# KiCad board panel_joined.kicad_pcb (continued)
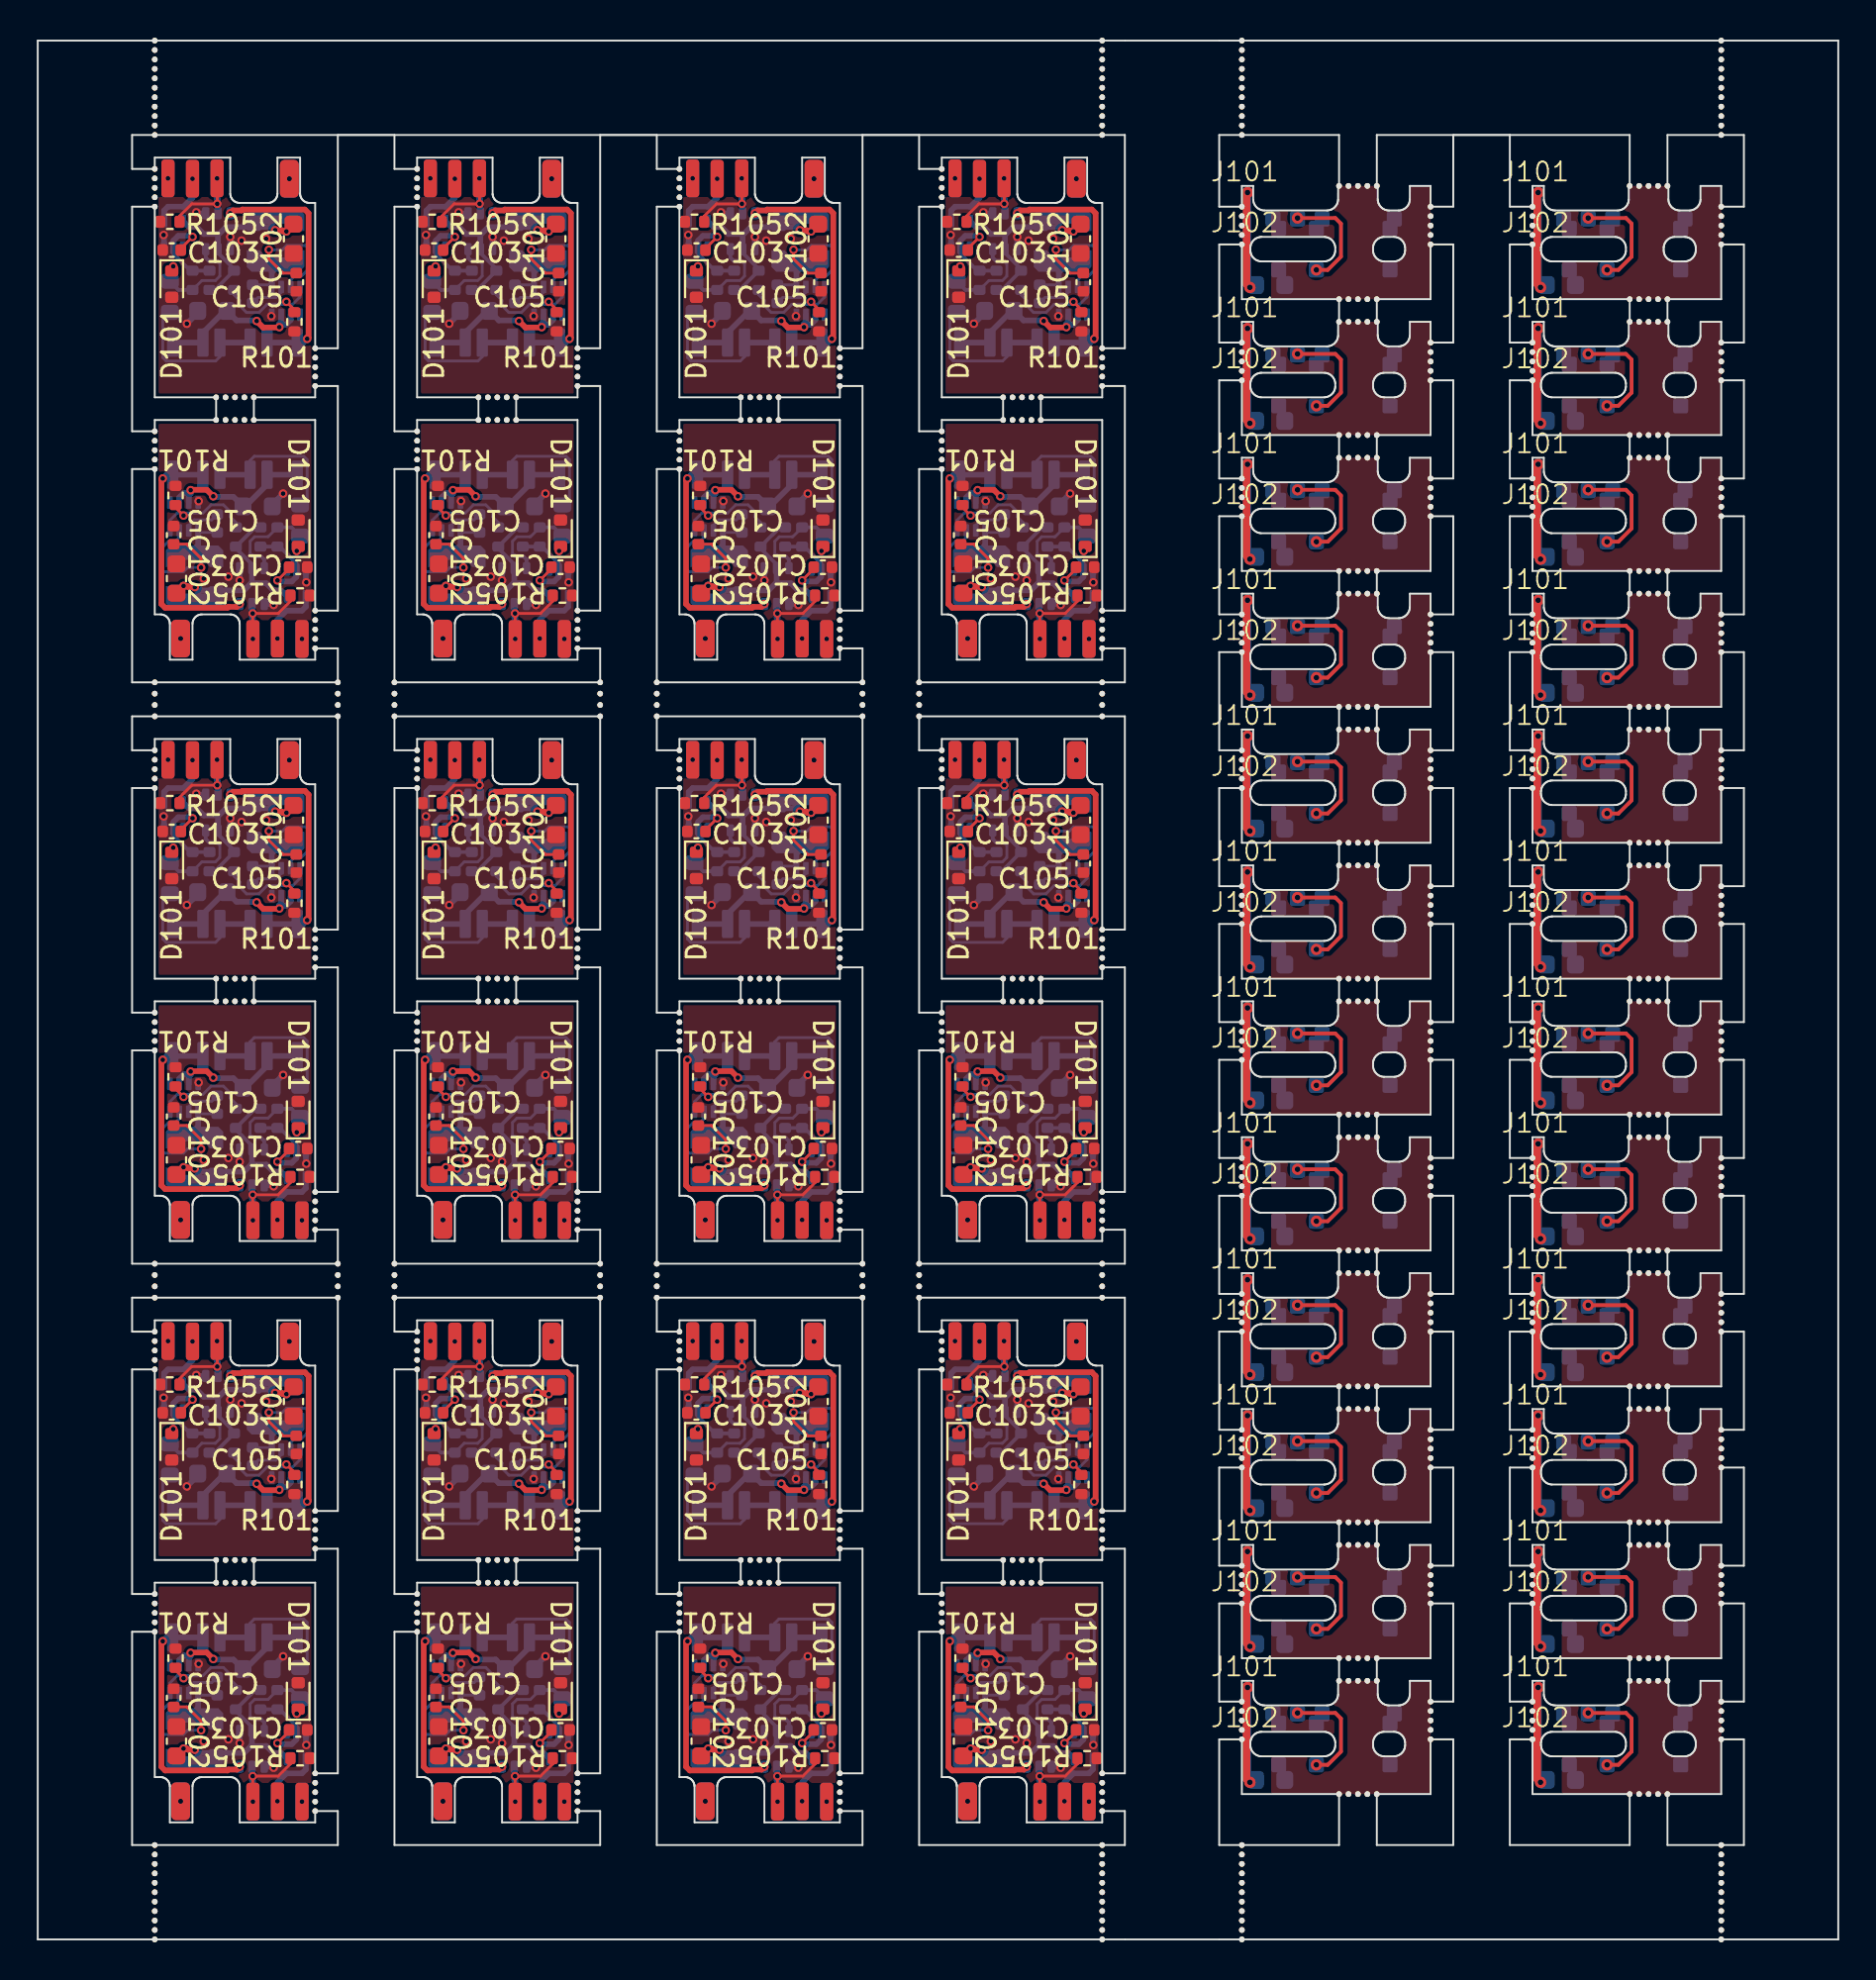
[diagram p0: board, top side]
## Routing (per net, layer and track width the routed paths; a pad name or vN(x,y) marks a point on that pad's centre or on a via; arc(x,y) is an arc through that point) (continued)
Board_0-Board_16-GND: length 2.9
  Bottom w0.2: U103#24.4 12.4,24.42 v1(12.38,24.4)
  Bottom w0.3: U102#13.3 6.69,28.68 v1(6.67,28.7) ; Q102#4.4 8.45,29.85 v1(8.4,29.9) ; v1(7.9,24) 8.48,24.57 C101#14.2 ; Q102#4.1 v1(10.2,28.6)
  vias: v1(6.9,31.7) v1(10.8,28.4) v1(12.1,28.5)
Board_0-Board_16-Net-(U103-SS): length 7.2
  Top w0.15: C105#9.1 13,26.68 12.25,27.43 v1(12.25,27.92)
  Bottom w0.15: U103#24.7 13.4,26.32 13.6,26.52 13.97,26.52 14.36,26.91 14.36,27.99 14.2,28.14 13.18,28.14 12.96,27.92 v1(12.25,27.92)
Board_0-Board_17-+3V3: length 10.3
  Top w0.3: v1(27.08,28.89) 26.89,28.89 26.83,28.95 v1(26.48,28.95)
  Bottom w0.2: R106#24.1 23.28,25.79 R104#3.1 24.3,26.9 23.45,27.75 Q102#19.2
  Bottom w0.3: U102#16.5 21.91,29.13 22.32,29.13 22.69,28.75 23.4,28.75 23.45,28.7 ; Q102#19.2 23.45,28.7 ; 23.45,28.7 23.87,29.12 26.15,29.12 26.5,29.47 L101#9.2
  vias: v1(27.23,31.68) v1(27.23,31.68)
Board_0-Board_17-/BST: length 2
  Bottom w0.15: C104#4.1 25.58,25.39 26.52,25.39 26.8,25.67 U103#23.6
Board_0-Board_17-/DBUS: length 8.1
  Bottom w0.15: H102#12.1 23.55,22.25 23.32,22.02 20.71,22.02 20.52,22.21 20.52,24.22 R103.1
  Bottom w0.3: H102#12.1 H102#12.1
Board_0-Board_17-/DBUS_R: length 6.3
  Top w0.15: 21,26.96 v1(21.08,27.04)
  Bottom w0.15: v1(21.08,27.04) 20.92,27.04 20.9,27.02 R103.2 20.94,26.29 ; R102#10.1 22.6,26.29 23.31,26.29 23.55,26.52 23.55,27.19 23.44,27.3 23.35,27.3
  Bottom w0.2: 23.42,27.28 23.37,27.33 22.97,27.33 22.8,27.5 Q102#19.3 ; R103.2 21.36,25.79 R102#10.1
Board_0-Board_17-/FB: length 5.9
  Top w0.15: v1(27.07,25.16) 27.5,24.74 R101#24.1
  Bottom w0.15: U103#23.8 27.8,25.42 27.41,25.03 26.05,25.03 25.62,24.59 24.96,24.59 24.6,24.96 24.6,25.23 24.3,25.53 R104#3.2
Board_0-Board_17-/IN: length 5.1
  Top w0.15: v1(22.1,28.6) 21.48,27.98 C103#17.1
  Bottom w0.2: R106#24.2 R102#10.2 21.98,26.81 21.09,27.7 U102#16.2
  Bottom w0.3: v1(22.1,28.6) 22.04,28.66 21.34,28.66 21.09,28.41 U102#16.2
Board_0-Board_17-/IO4: length 5.9
  Top w0.15: 23.41,30.25 v1(23.41,30.35) ; v1(23.41,30.35) 23.41,31.69 v1(23.4,31.7) ; v1(23.41,30.35) 22.06,30.35 21.41,29.7 R105#6.1
  Bottom w0.3: Q102#19.5 23.45,30.55 23.4,30.6 v1(23.4,31.7)
Board_0-Board_17-/IO5: length 3.3
  Bottom w0.3: U102#16.4 20.59,29.99 20.8,30.2 21.62,30.2 22.1,30.68 v1(22.1,31.68)
Board_0-Board_17-/SW: length 2.3
  Bottom w0.15: C104#4.2 26.19,26.06 U103#23.5
  Bottom w0.3: U103#23.5 26.3,26.73 26.5,26.93 L101#9.1
Board_0-Board_17-/V+: length 8.7
  Top w0.3: v1(26.7,23.82) 26.68,23.8 25.84,23.8 v1(25.5,24.14)
  Bottom w0.3: H101#22.1 H101#22.1 22.65,23.53 23.8,24.68 C101#6.1 24.43,24.17 25.47,24.17 v1(25.5,24.14) ; U103#23.3 26.8,24.1 26.7,24 v1(26.7,23.82) 26.84,23.96 27.06,23.96 27.3,24.2 U103#23.2
Board_0-Board_17-/V-: length 13.2
  Top w0.3: v1(24.1,29.85) 24.25,30 24.7,30 24.75,30.05 28.05,30.05 28.25,29.85 28.25,23.27 v1(28.17,23.2)
  Bottom w0.3: v1(28.17,23.2) 27.98,23 H103#16.1 H103#16.1
Board_0-Board_17-GND: length 2.9
  Bottom w0.2: U103#23.4 26.3,24.42 v1(26.27,24.4)
  Bottom w0.3: v1(20.57,28.7) 20.59,28.68 U102#16.3 ; v1(21.8,24) 22.38,24.57 C101#6.2 ; Q102#19.4 22.35,29.85 v1(22.3,29.9) ; Q102#19.1 v1(24.1,28.6)
  vias: v1(20.8,31.7) v1(24.7,28.4) v1(26,28.5)
Board_0-Board_17-Net-(U103-SS): length 7.2
  Top w0.15: C105#19.1 26.9,26.68 26.15,27.43 v1(26.15,27.92)
  Bottom w0.15: U103#23.7 27.3,26.32 27.5,26.52 27.87,26.52 28.26,26.91 28.26,27.99 28.1,28.14 27.08,28.14 26.86,27.92 v1(26.15,27.92)
Board_0-Board_18-+3V3: length 10.3
  Top w0.3: v1(40.38,28.95) 40.73,28.95 40.79,28.89 v1(40.98,28.89)
  Bottom w0.2: R106#5.1 37.18,25.79 R104#13.1 38.2,26.9 37.35,27.75 Q102.2
  Bottom w0.3: U102#22.5 35.81,29.13 36.22,29.13 36.59,28.75 37.3,28.75 37.35,28.7 ; L101#15.2 40.4,29.47 40.05,29.12 37.77,29.12 37.35,28.7 ; Q102.2 37.35,28.7
  vias: v1(41.13,31.68) v1(41.13,31.68)
Board_0-Board_18-/BST: length 2
  Bottom w0.15: U103#13.6 40.7,25.67 40.42,25.39 39.48,25.39 C104#13.1
Board_0-Board_18-/DBUS: length 8.1
  Bottom w0.15: H102#22.1 37.45,22.25 37.22,22.02 34.61,22.02 34.42,22.21 34.42,24.22 R103#7.1
  Bottom w0.3: H102#22.1 H102#22.1
Board_0-Board_18-/DBUS_R: length 6.3
  Top w0.15: 34.9,26.96 v1(34.98,27.04)
  Bottom w0.15: 34.84,26.29 R103#7.2 34.8,27.02 34.82,27.04 v1(34.98,27.04) ; R102#17.1 36.5,26.29 37.21,26.29 37.45,26.52 37.45,27.19 37.34,27.3 37.25,27.3
  Bottom w0.2: Q102.3 36.7,27.5 36.87,27.33 37.27,27.33 37.32,27.28 ; R102#17.1 35.26,25.79 R103#7.2
Board_0-Board_18-/FB: length 5.9
  Top w0.15: v1(40.97,25.16) 41.4,24.74 R101#20.1
  Bottom w0.15: U103#13.8 41.7,25.42 41.31,25.03 39.95,25.03 39.52,24.59 38.86,24.59 38.5,24.96 38.5,25.23 38.2,25.53 R104#13.2
Board_0-Board_18-/IN: length 5.1
  Top w0.15: v1(36,28.6) 35.38,27.98 C103#11.1
  Bottom w0.2: R106#5.2 R102#17.2 35.88,26.81 34.99,27.7 U102#22.2
  Bottom w0.3: U102#22.2 34.99,28.41 35.24,28.66 35.94,28.66 v1(36,28.6)
Board_0-Board_18-/IO4: length 5.9
  Top w0.15: v1(37.3,31.7) 37.31,31.69 v1(37.31,30.35) ; 37.31,30.25 v1(37.31,30.35) ; v1(37.31,30.35) 35.96,30.35 35.31,29.7 R105#15.1
  Bottom w0.3: v1(37.3,31.7) 37.3,30.6 37.35,30.55 Q102.5
Board_0-Board_18-/IO5: length 3.3
  Bottom w0.3: U102#22.4 34.49,29.99 34.7,30.2 35.52,30.2 36,30.68 v1(36,31.68)
Board_0-Board_18-/SW: length 2.3
  Bottom w0.15: C104#13.2 40.09,26.06 U103#13.5
  Bottom w0.3: U103#13.5 40.2,26.73 40.4,26.93 L101#15.1
Board_0-Board_18-/V+: length 8.7
  Top w0.3: v1(40.6,23.82) 40.58,23.8 39.74,23.8 v1(39.4,24.14)
  Bottom w0.3: U103#13.2 41.2,24.2 40.96,23.96 40.74,23.96 v1(40.6,23.82) 40.6,24 40.7,24.1 U103#13.3 ; v1(39.4,24.14) 39.37,24.17 38.33,24.17 C101#5.1 37.7,24.68 36.55,23.53 H101.1 H101.1
Board_0-Board_18-/V-: length 13.2
  Top w0.3: v1(42.08,23.2) 42.15,23.27 42.15,29.85 41.95,30.05 38.65,30.05 38.6,30 38.15,30 v1(38,29.85)
  Bottom w0.3: H103#10.1 H103#10.1 41.88,23 v1(42.08,23.2)
Board_0-Board_18-GND: length 2.9
  Bottom w0.2: U103#13.4 40.2,24.42 v1(40.17,24.4)
  Bottom w0.3: v1(36.2,29.9) 36.25,29.85 Q102.4 ; v1(35.7,24) 36.27,24.57 C101#5.2 ; Q102.1 v1(38,28.6) ; v1(34.47,28.7) 34.49,28.68 U102#22.3
  vias: v1(34.7,31.7) v1(38.6,28.4) v1(39.9,28.5)
Board_0-Board_18-Net-(U103-SS): length 7.2
  Top w0.15: v1(40.05,27.92) 40.05,27.43 40.8,26.68 C105#11.1
  Bottom w0.15: v1(40.05,27.92) 40.76,27.92 40.98,28.14 42,28.14 42.16,27.99 42.16,26.91 41.77,26.52 41.4,26.52 41.2,26.32 U103#13.7
Board_0-Board_19-+3V3: length 10.3
  Top w0.3: v1(54.28,28.95) 54.63,28.95 54.69,28.89 v1(54.88,28.89)
  Bottom w0.2: R106#12.1 51.08,25.79 R104#7.1 52.1,26.9 51.25,27.75 Q102#12.2
  Bottom w0.3: 51.25,28.7 51.2,28.75 50.49,28.75 50.12,29.13 49.71,29.13 U102#10.5 ; 51.25,28.7 Q102#12.2 ; 51.25,28.7 51.67,29.12 53.95,29.12 54.3,29.47 L101#6.2
  vias: v1(55.03,31.68) v1(55.03,31.68)
Board_0-Board_19-/BST: length 2
  Bottom w0.15: C104#11.1 53.38,25.39 54.32,25.39 54.6,25.67 U103#12.6
Board_0-Board_19-/DBUS: length 8.1
  Bottom w0.15: R103#8.1 48.32,24.22 48.32,22.21 48.51,22.02 51.12,22.02 51.35,22.25 H102#18.1
  Bottom w0.3: H102#18.1 H102#18.1
Board_0-Board_19-/DBUS_R: length 6.3
  Top w0.15: 48.8,26.96 v1(48.88,27.04)
  Bottom w0.15: 51.15,27.3 51.24,27.3 51.35,27.19 51.35,26.52 51.11,26.29 50.4,26.29 R102#7.1 ; v1(48.88,27.04) 48.72,27.04 48.7,27.02 R103#8.2 48.74,26.29
  Bottom w0.2: R102#7.1 49.16,25.79 R103#8.2 ; 51.22,27.28 51.17,27.33 50.77,27.33 50.6,27.5 Q102#12.3
Board_0-Board_19-/FB: length 5.9
  Top w0.15: v1(54.87,25.16) 55.3,24.74 R101#3.1
  Bottom w0.15: U103#12.8 55.6,25.42 55.21,25.03 53.85,25.03 53.42,24.59 52.76,24.59 52.4,24.96 52.4,25.23 52.1,25.53 R104#7.2
Board_0-Board_19-/IN: length 5.1
  Top w0.15: v1(49.9,28.6) 49.28,27.98 C103.1
  Bottom w0.2: U102#10.2 48.89,27.7 49.78,26.81 R102#7.2 R106#12.2
  Bottom w0.3: U102#10.2 48.89,28.41 49.14,28.66 49.84,28.66 v1(49.9,28.6)
Board_0-Board_19-/IO4: length 5.9
  Top w0.15: v1(51.2,31.7) 51.21,31.69 v1(51.21,30.35) ; v1(51.21,30.35) 49.86,30.35 49.21,29.7 R105#11.1 ; v1(51.21,30.35) 51.21,30.25
  Bottom w0.3: v1(51.2,31.7) 51.2,30.6 51.25,30.55 Q102#12.5
Board_0-Board_19-/IO5: length 3.3
  Bottom w0.3: v1(49.9,31.68) 49.9,30.68 49.42,30.2 48.6,30.2 48.39,29.99 U102#10.4
Board_0-Board_19-/SW: length 2.3
  Bottom w0.15: U103#12.5 53.99,26.06 C104#11.2
  Bottom w0.3: U103#12.5 54.1,26.73 54.3,26.93 L101#6.1
Board_0-Board_19-/V+: length 8.7
  Top w0.3: v1(53.3,24.14) 53.64,23.8 54.48,23.8 v1(54.5,23.82)
  Bottom w0.3: U103#12.3 54.6,24.1 54.5,24 v1(54.5,23.82) 54.64,23.96 54.86,23.96 55.1,24.2 U103#12.2 ; H101#16.1 H101#16.1 50.45,23.53 51.6,24.68 51.72,24.68 52.23,24.17 53.27,24.17 v1(53.3,24.14)
Board_0-Board_19-/V-: length 13.2
  Top w0.3: v1(51.9,29.85) 52.05,30 52.5,30 52.55,30.05 55.85,30.05 56.05,29.85 56.05,23.27 v1(55.97,23.2)
  Bottom w0.3: H103#19.1 H103#19.1 55.78,23 v1(55.97,23.2)
Board_0-Board_19-GND: length 2.9
  Bottom w0.2: U103#12.4 54.1,24.42 v1(54.08,24.4)
  Bottom w0.3: U102#10.3 48.39,28.68 v1(48.37,28.7) ; Q102#12.1 v1(51.9,28.6) ; C101#18.2 50.17,24.57 v1(49.6,24) ; Q102#12.4 50.15,29.85 v1(50.1,29.9)
  vias: v1(48.6,31.7) v1(52.5,28.4) v1(53.8,28.5)
Board_0-Board_19-Net-(U103-SS): length 7.2
  Top w0.15: v1(53.95,27.92) 53.95,27.43 54.7,26.68 C105#7.1
  Bottom w0.15: U103#12.7 55.1,26.32 55.3,26.52 55.67,26.52 56.06,26.91 56.06,27.99 55.9,28.14 54.88,28.14 54.66,27.92 v1(53.95,27.92)
Board_0-Board_20-+3V3: length 10.3
  Top w0.3: v1(8.32,10.05) 7.97,10.05 7.91,10.11 v1(7.73,10.11)
  Bottom w0.2: Q102#22.2 11.35,11.25 10.5,12.1 R104#18.1 11.52,13.21 R106#2.1
  Bottom w0.3: L101#23.2 8.3,9.53 8.65,9.88 10.93,9.88 11.35,10.3 ; 11.35,10.3 11.4,10.25 12.11,10.25 12.48,9.87 12.89,9.87 U102#14.5 ; 11.35,10.3 Q102#22.2
  vias: v1(7.57,7.32) v1(7.57,7.32)
Board_0-Board_20-/BST: length 2
  Bottom w0.15: C104#14.1 9.22,13.61 8.28,13.61 8,13.33 U103#14.6
Board_0-Board_20-/DBUS: length 8.1
  Bottom w0.15: H102#4.1 11.25,16.75 11.48,16.98 14.09,16.98 14.28,16.79 14.28,14.78 R103#21.1
  Bottom w0.3: H102#4.1 H102#4.1
Board_0-Board_20-/DBUS_R: length 6.3
  Top w0.15: 13.8,12.04 v1(13.72,11.96)
  Bottom w0.15: 13.86,12.71 R103#21.2 13.9,11.98 13.88,11.96 v1(13.72,11.96) ; R102#22.1 12.2,12.71 11.49,12.71 11.25,12.48 11.25,11.81 11.36,11.7 11.45,11.7
  Bottom w0.2: 11.38,11.72 11.43,11.67 11.83,11.67 12,11.5 Q102#22.3 ; R103#21.2 13.44,13.21 R102#22.1
Board_0-Board_20-/FB: length 5.9
  Top w0.15: v1(7.73,13.84) 7.3,14.26 R101#19.1
  Bottom w0.15: U103#14.8 7,13.58 7.39,13.97 8.75,13.97 9.18,14.41 9.84,14.41 10.2,14.04 10.2,13.77 10.5,13.47 R104#18.2
Board_0-Board_20-/IN: length 5.1
  Top w0.15: C103#7.1 13.32,11.02 v1(12.7,10.4)
  Bottom w0.2: U102#14.2 13.71,11.3 12.82,12.19 R102#22.2 R106#2.2
  Bottom w0.3: v1(12.7,10.4) 12.76,10.34 13.46,10.34 13.71,10.59 U102#14.2
Board_0-Board_20-/IO4: length 5.9
  Top w0.15: 11.39,8.75 v1(11.39,8.65) ; v1(11.39,8.65) 11.39,7.31 v1(11.4,7.3) ; v1(11.39,8.65) 12.74,8.65 13.39,9.3 R105.1
  Bottom w0.3: Q102#22.5 11.35,8.45 11.4,8.4 v1(11.4,7.3)
Board_0-Board_20-/IO5: length 3.3
  Bottom w0.3: U102#14.4 14.21,9.01 14,8.8 13.18,8.8 12.7,8.32 v1(12.7,7.32)
Board_0-Board_20-/SW: length 2.3
  Bottom w0.15: U103#14.5 8.61,12.94 C104#14.2
  Bottom w0.3: U103#14.5 8.5,12.27 8.3,12.07 L101#23.1
Board_0-Board_20-/V+: length 8.7
  Top w0.3: v1(9.3,14.86) 8.96,15.2 8.12,15.2 v1(8.1,15.18)
  Bottom w0.3: v1(9.3,14.86) 9.33,14.83 10.37,14.83 C101#12.1 11,14.32 12.15,15.47 H101#20.1 H101#20.1 ; U103#14.2 7.5,14.8 7.74,15.04 7.96,15.04 v1(8.1,15.18) 8.1,15 8,14.9 U103#14.3
Board_0-Board_20-/V-: length 13.2
  Top w0.3: v1(6.62,15.8) 6.55,15.73 6.55,9.15 6.75,8.95 10.05,8.95 10.1,9 10.55,9 v1(10.7,9.15)
  Bottom w0.3: v1(6.62,15.8) 6.82,16 H103#21.1 H103#21.1
Board_0-Board_20-GND: length 2.9
  Bottom w0.2: v1(8.52,14.6) 8.5,14.57 U103#14.4
  Bottom w0.3: v1(13,15) 12.42,14.42 C101#12.2 ; U102#14.3 14.21,10.32 v1(14.23,10.3) ; v1(12.5,9.1) 12.45,9.15 Q102#22.4 ; Q102#22.1 v1(10.7,10.4)
  vias: v1(8.8,10.5) v1(10.1,10.6) v1(14,7.3)
Board_0-Board_20-Net-(U103-SS): length 7.2
  Top w0.15: C105#3.1 7.9,12.32 8.65,11.57 v1(8.65,11.08)
  Bottom w0.15: U103#14.7 7.5,12.68 7.3,12.48 6.93,12.48 6.54,12.09 6.54,11.01 6.7,10.86 7.72,10.86 7.94,11.08 v1(8.65,11.08)
Board_0-Board_21-+3V3: length 10.3
  Top w0.3: v1(22.22,10.05) 21.87,10.05 21.81,10.11 v1(21.62,10.11)
  Bottom w0.2: Q102#5.2 25.25,11.25 24.4,12.1 R104#2.1 25.42,13.21 R106#8.1
  Bottom w0.3: 25.25,10.3 25.3,10.25 26.01,10.25 26.38,9.87 26.79,9.87 U102#21.5 ; 25.25,10.3 Q102#5.2 ; 25.25,10.3 24.83,9.88 22.55,9.88 22.2,9.53 L101.2
  vias: v1(21.47,7.32) v1(21.47,7.32)
Board_0-Board_21-/BST: length 2
  Bottom w0.15: C104.1 23.12,13.61 22.18,13.61 21.9,13.33 U103#6.6
Board_0-Board_21-/DBUS: length 8.1
  Bottom w0.15: R103#22.1 28.18,14.78 28.18,16.79 27.99,16.98 25.38,16.98 25.15,16.75 H102#8.1
  Bottom w0.3: H102#8.1 H102#8.1
Board_0-Board_21-/DBUS_R: length 6.3
  Top w0.15: 27.7,12.04 v1(27.62,11.96)
  Bottom w0.15: R102#9.1 26.1,12.71 25.39,12.71 25.15,12.48 25.15,11.81 25.26,11.7 25.35,11.7 ; v1(27.62,11.96) 27.78,11.96 27.8,11.98 R103#22.2 27.76,12.71
  Bottom w0.2: 25.28,11.72 25.33,11.67 25.73,11.67 25.9,11.5 Q102#5.3 ; R102#9.1 27.34,13.21 R103#22.2
Board_0-Board_21-/FB: length 5.9
  Top w0.15: v1(21.63,13.84) 21.2,14.26 R101#7.1
  Bottom w0.15: U103#6.8 20.9,13.58 21.29,13.97 22.65,13.97 23.08,14.41 23.74,14.41 24.1,14.04 24.1,13.77 24.4,13.47 R104#2.2
Board_0-Board_21-/IN: length 5.1
  Top w0.15: C103#23.1 27.22,11.02 v1(26.6,10.4)
  Bottom w0.2: R106#8.2 R102#9.2 26.72,12.19 27.61,11.3 U102#21.2
  Bottom w0.3: v1(26.6,10.4) 26.66,10.34 27.36,10.34 27.61,10.59 U102#21.2
Board_0-Board_21-/IO4: length 5.9
  Top w0.15: R105#17.1 27.29,9.3 26.64,8.65 v1(25.29,8.65) ; v1(25.29,8.65) 25.29,7.31 v1(25.3,7.3) ; v1(25.29,8.65) 25.29,8.75
  Bottom w0.3: v1(25.3,7.3) 25.3,8.4 25.25,8.45 Q102#5.5
Board_0-Board_21-/IO5: length 3.3
  Bottom w0.3: U102#21.4 28.11,9.01 27.9,8.8 27.08,8.8 26.6,8.32 v1(26.6,7.32)
Board_0-Board_21-/SW: length 2.3
  Bottom w0.15: C104.2 22.51,12.94 U103#6.5
  Bottom w0.3: L101.1 22.2,12.07 22.4,12.27 U103#6.5
Board_0-Board_21-/V+: length 8.7
  Top w0.3: v1(22,15.18) 22.02,15.2 22.86,15.2 v1(23.2,14.86)
  Bottom w0.3: H101#7.1 H101#7.1 26.05,15.47 24.9,14.32 C101.1 24.27,14.83 23.23,14.83 v1(23.2,14.86) ; U103#6.3 21.9,14.9 22,15 v1(22,15.18) 21.86,15.04 21.64,15.04 21.4,14.8 U103#6.2
Board_0-Board_21-/V-: length 13.2
  Top w0.3: v1(24.6,9.15) 24.45,9 24,9 23.95,8.95 20.65,8.95 20.45,9.15 20.45,15.73 v1(20.52,15.8)
  Bottom w0.3: v1(20.52,15.8) 20.73,16 H103#24.1 H103#24.1
Board_0-Board_21-GND: length 2.9
  Bottom w0.2: U103#6.4 22.4,14.57 v1(22.42,14.6)
  Bottom w0.3: v1(28.13,10.3) 28.11,10.32 U102#21.3 ; C101.2 26.33,14.42 v1(26.9,15) ; Q102#5.4 26.35,9.15 v1(26.4,9.1) ; Q102#5.1 v1(24.6,10.4)
  vias: v1(22.7,10.5) v1(24,10.6) v1(27.9,7.3)
Board_0-Board_21-Net-(U103-SS): length 7.2
  Top w0.15: C105#12.1 21.8,12.32 22.55,11.57 v1(22.55,11.08)
  Bottom w0.15: v1(22.55,11.08) 21.84,11.08 21.62,10.86 20.6,10.86 20.44,11.01 20.44,12.09 20.83,12.48 21.2,12.48 21.4,12.68 U103#6.7
Board_0-Board_22-+3V3: length 10.3
  Top w0.3: v1(35.52,10.11) 35.71,10.11 35.77,10.05 v1(36.12,10.05)
  Bottom w0.2: Q102#9.2 39.15,11.25 38.3,12.1 R104#16.1 39.32,13.21 R106#23.1
  Bottom w0.3: Q102#9.2 39.15,10.3 ; 39.15,10.3 39.2,10.25 39.91,10.25 40.28,9.87 40.69,9.87 U102#17.5 ; 39.15,10.3 38.73,9.88 36.45,9.88 36.1,9.53 L101#22.2
  vias: v1(35.37,7.32) v1(35.37,7.32)
Board_0-Board_22-/BST: length 2
  Bottom w0.15: C104#3.1 37.02,13.61 36.08,13.61 35.8,13.33 U103#21.6
Board_0-Board_22-/DBUS: length 8.1
  Bottom w0.15: H102#21.1 39.05,16.75 39.28,16.98 41.89,16.98 42.08,16.79 42.08,14.78 R103#12.1
  Bottom w0.3: H102#21.1 H102#21.1
Board_0-Board_22-/DBUS_R: length 6.3
  Top w0.15: 41.6,12.04 v1(41.52,11.96)
  Bottom w0.15: R102#8.1 40,12.71 39.29,12.71 39.05,12.48 39.05,11.81 39.16,11.7 39.25,11.7 ; 41.66,12.71 R103#12.2 41.7,11.98 41.68,11.96 v1(41.52,11.96)
  Bottom w0.2: Q102#9.3 39.8,11.5 39.63,11.67 39.23,11.67 39.18,11.72 ; R103#12.2 41.24,13.21 R102#8.1
Board_0-Board_22-/FB: length 5.9
  Top w0.15: v1(35.53,13.84) 35.1,14.26 R101#14.1
  Bottom w0.15: U103#21.8 34.8,13.58 35.19,13.97 36.55,13.97 36.98,14.41 37.64,14.41 38,14.04 38,13.77 38.3,13.47 R104#16.2
Board_0-Board_22-/IN: length 5.1
  Top w0.15: C103#2.1 41.12,11.02 v1(40.5,10.4)
  Bottom w0.2: U102#17.2 41.51,11.3 40.62,12.19 R102#8.2 R106#23.2
  Bottom w0.3: v1(40.5,10.4) 40.56,10.34 41.26,10.34 41.51,10.59 U102#17.2
Board_0-Board_22-/IO4: length 5.9
  Top w0.15: R105#10.1 41.19,9.3 40.54,8.65 v1(39.19,8.65) ; v1(39.19,8.65) 39.19,8.75 ; v1(39.19,8.65) 39.19,7.31 v1(39.2,7.3)
  Bottom w0.3: Q102#9.5 39.15,8.45 39.2,8.4 v1(39.2,7.3)
Board_0-Board_22-/IO5: length 3.3
  Bottom w0.3: v1(40.5,7.32) 40.5,8.32 40.98,8.8 41.8,8.8 42.01,9.01 U102#17.4
Board_0-Board_22-/SW: length 2.3
  Bottom w0.15: C104#3.2 36.41,12.94 U103#21.5
  Bottom w0.3: L101#22.1 36.1,12.07 36.3,12.27 U103#21.5
Board_0-Board_22-/V+: length 8.7
  Top w0.3: v1(35.9,15.18) 35.92,15.2 36.76,15.2 v1(37.1,14.86)
  Bottom w0.3: v1(37.1,14.86) 37.13,14.83 38.17,14.83 C101#21.1 38.8,14.32 39.95,15.47 H101#17.1 H101#17.1 ; U103#21.3 35.8,14.9 35.9,15 v1(35.9,15.18) 35.76,15.04 35.54,15.04 35.3,14.8 U103#21.2
Board_0-Board_22-/V-: length 13.2
  Top w0.3: v1(34.42,15.8) 34.35,15.73 34.35,9.15 34.55,8.95 37.85,8.95 37.9,9 38.35,9 v1(38.5,9.15)
  Bottom w0.3: v1(34.42,15.8) 34.62,16 H103#7.1 H103#7.1
Board_0-Board_22-GND: length 2.9
  Bottom w0.2: U103#21.4 36.3,14.57 v1(36.33,14.6)
  Bottom w0.3: Q102#9.1 v1(38.5,10.4) ; v1(42.03,10.3) 42.01,10.32 U102#17.3 ; C101#21.2 40.23,14.42 v1(40.8,15) ; Q102#9.4 40.25,9.15 v1(40.3,9.1)
  vias: v1(36.6,10.5) v1(37.9,10.6) v1(41.8,7.3)
Board_0-Board_22-Net-(U103-SS): length 7.2
  Top w0.15: v1(36.45,11.08) 36.45,11.57 35.7,12.32 C105#8.1
  Bottom w0.15: U103#21.7 35.3,12.68 35.1,12.48 34.73,12.48 34.34,12.09 34.34,11.01 34.5,10.86 35.52,10.86 35.74,11.08 v1(36.45,11.08)
Board_0-Board_23-+3V3: length 10.3
  Top w0.3: v1(50.02,10.05) 49.67,10.05 49.61,10.11 v1(49.42,10.11)
  Bottom w0.2: Q102#2.2 53.05,11.25 52.2,12.1 R104#12.1 53.22,13.21 R106#17.1
  Bottom w0.3: U102#8.5 54.59,9.87 54.18,9.87 53.81,10.25 53.1,10.25 53.05,10.3 ; 53.05,10.3 52.63,9.88 50.35,9.88 50,9.53 L101#18.2 ; 53.05,10.3 Q102#2.2
  vias: v1(49.27,7.32) v1(49.27,7.32)
Board_0-Board_23-/BST: length 2
  Bottom w0.15: C104#16.1 50.92,13.61 49.98,13.61 49.7,13.33 U103#4.6
Board_0-Board_23-/DBUS: length 8.1
  Bottom w0.15: R103#14.1 55.98,14.78 55.98,16.79 55.79,16.98 53.18,16.98 52.95,16.75 H102#19.1
  Bottom w0.3: H102#19.1 H102#19.1
Board_0-Board_23-/DBUS_R: length 6.3
  Top w0.15: 55.5,12.04 v1(55.42,11.96)
  Bottom w0.15: v1(55.42,11.96) 55.58,11.96 55.6,11.98 R103#14.2 55.56,12.71 ; 53.15,11.7 53.06,11.7 52.95,11.81 52.95,12.48 53.19,12.71 53.9,12.71 R102#15.1
  Bottom w0.2: R102#15.1 55.14,13.21 R103#14.2 ; 53.08,11.72 53.13,11.67 53.53,11.67 53.7,11.5 Q102#2.3
Board_0-Board_23-/FB: length 5.9
  Top w0.15: v1(49.43,13.84) 49,14.26 R101#9.1
  Bottom w0.15: U103#4.8 48.7,13.58 49.09,13.97 50.45,13.97 50.88,14.41 51.54,14.41 51.9,14.04 51.9,13.77 52.2,13.47 R104#12.2
Board_0-Board_23-/IN: length 5.1
  Top w0.15: C103#13.1 55.02,11.02 v1(54.4,10.4)
  Bottom w0.2: U102#8.2 55.41,11.3 54.52,12.19 R102#15.2 R106#17.2
  Bottom w0.3: U102#8.2 55.41,10.59 55.16,10.34 54.46,10.34 v1(54.4,10.4)
Board_0-Board_23-/IO4: length 5.9
  Top w0.15: v1(53.1,7.3) 53.09,7.31 v1(53.09,8.65) ; 53.09,8.75 v1(53.09,8.65) ; v1(53.09,8.65) 54.44,8.65 55.09,9.3 R105#23.1
  Bottom w0.3: v1(53.1,7.3) 53.1,8.4 53.05,8.45 Q102#2.5
Board_0-Board_23-/IO5: length 3.3
  Bottom w0.3: U102#8.4 55.91,9.01 55.7,8.8 54.88,8.8 54.4,8.32 v1(54.4,7.32)
Board_0-Board_23-/SW: length 2.3
  Bottom w0.15: C104#16.2 50.31,12.94 U103#4.5
  Bottom w0.3: L101#18.1 50,12.07 50.2,12.27 U103#4.5
Board_0-Board_23-/V+: length 8.7
  Top w0.3: v1(51,14.86) 50.66,15.2 49.82,15.2 v1(49.8,15.18)
  Bottom w0.3: U103#4.3 49.7,14.9 49.8,15 v1(49.8,15.18) 49.66,15.04 49.44,15.04 49.2,14.8 U103#4.2 ; H101#12.1 H101#12.1 53.85,15.47 52.7,14.32 52.58,14.32 52.07,14.83 51.03,14.83 v1(51,14.86)
Board_0-Board_23-/V-: length 13.2
  Top w0.3: v1(52.4,9.15) 52.25,9 51.8,9 51.75,8.95 48.45,8.95 48.25,9.15 48.25,15.73 v1(48.33,15.8)
  Bottom w0.3: v1(48.33,15.8) 48.53,16 H103#14.1 H103#14.1
Board_0-Board_23-GND: length 2.9
  Bottom w0.2: v1(50.22,14.6) 50.2,14.57 U103#4.4
  Bottom w0.3: Q102#2.1 v1(52.4,10.4) ; C101#22.2 54.12,14.42 v1(54.7,15) ; U102#8.3 55.91,10.32 v1(55.93,10.3) ; v1(54.2,9.1) 54.15,9.15 Q102#2.4
  vias: v1(50.5,10.5) v1(51.8,10.6) v1(55.7,7.3)
Board_0-Board_23-Net-(U103-SS): length 7.2
  Top w0.15: v1(50.35,11.08) 50.35,11.57 49.6,12.32 C105#6.1
  Bottom w0.15: U103#4.7 49.2,12.68 49,12.48 48.63,12.48 48.24,12.09 48.24,11.01 48.4,10.86 49.42,10.86 49.64,11.08 v1(50.35,11.08)
Board_1-Board_0-/IO5: length 6
  Top w0.2: v2(67.75,88.45) 68.35,88.45 69.05,89.15 69.05,90.9 68.75,91.2 v2(66.75,91.2)
  Bottom w0.2: J101#12.2 v2(66.75,91.2) ; 66.8,91.1 66.7,91.3
Board_1-Board_0-unconnected-(AE101-Shield-Pad2): length 11
  Top w0.4: 64.05,92.6 64.05,87.7 64.3,87.45
  Bottom w0.4: v2(64.22,87.52) 64.35,87.65 AE101#2.2 ; 64.05,87.72 64.05,87.7 ; 64.05,87.7 64.1,87.75 64.1,89.21 64.04,89.27 64.04,89.83 64.1,89.89 v2(64.1,92.55) 64.05,92.6 ; 64.05,87.7 64.3,87.45
Board_1-Board_1-/IO5: length 6
  Top w0.2: v2(82.15,91.2) 84.15,91.2 84.45,90.9 84.45,89.15 83.75,88.45 v2(83.15,88.45)
  Bottom w0.2: J101#7.2 v2(82.15,91.2) ; 82.2,91.1 82.1,91.3
Board_1-Board_1-unconnected-(AE101-Shield-Pad2): length 11
  Top w0.4: 79.45,92.6 79.45,87.7 79.7,87.45
  Bottom w0.4: AE101#8.2 79.75,87.65 v2(79.62,87.52) ; 79.45,87.7 79.5,87.75 79.5,89.21 79.44,89.27 79.44,89.83 79.5,89.89 v2(79.5,92.55) 79.45,92.6 ; 79.45,87.7 79.7,87.45 ; 79.45,87.7 79.45,87.72
Board_1-Board_2-/IO5: length 6
  Top w0.2: v2(67.75,81.25) 68.35,81.25 69.05,81.95 69.05,83.7 68.75,84 v2(66.75,84)
  Bottom w0.2: 66.8,83.9 66.7,84.1 ; J101#19.2 v2(66.75,84)
Board_1-Board_2-unconnected-(AE101-Shield-Pad2): length 11
  Top w0.4: 64.3,80.25 64.05,80.5 64.05,85.4
  Bottom w0.4: 64.05,80.52 64.05,80.5 ; 64.05,80.5 64.1,80.55 64.1,82.01 64.04,82.07 64.04,82.63 64.1,82.69 v2(64.1,85.35) 64.05,85.4 ; 64.05,80.5 64.3,80.25 ; AE101#5.2 64.35,80.45 v2(64.22,80.32)
Board_1-Board_3-/IO5: length 6
  Top w0.2: v2(82.15,84) 84.15,84 84.45,83.7 84.45,81.95 83.75,81.25 v2(83.15,81.25)
  Bottom w0.2: 82.2,83.9 82.1,84.1 ; J101#5.2 v2(82.15,84)
Board_1-Board_3-unconnected-(AE101-Shield-Pad2): length 11
  Top w0.4: 79.7,80.25 79.45,80.5 79.45,85.4
  Bottom w0.4: 79.45,85.4 v2(79.5,85.35) 79.5,82.69 79.44,82.63 79.44,82.07 79.5,82.01 79.5,80.55 79.45,80.5 ; v2(79.62,80.32) 79.75,80.45 AE101#3.2 ; 79.45,80.5 79.7,80.25 ; 79.45,80.5 79.45,80.52
Board_1-Board_4-/IO5: length 6
  Top w0.2: v2(67.75,74.05) 68.35,74.05 69.05,74.75 69.05,76.5 68.75,76.8 v2(66.75,76.8)
  Bottom w0.2: 66.8,76.7 66.7,76.9 ; J101#17.2 v2(66.75,76.8)
Board_1-Board_4-unconnected-(AE101-Shield-Pad2): length 11
  Top w0.4: 64.3,73.05 64.05,73.3 64.05,78.2
  Bottom w0.4: 64.05,73.3 64.1,73.35 64.1,74.81 64.04,74.87 64.04,75.43 64.1,75.49 v2(64.1,78.15) 64.05,78.2 ; 64.05,73.3 64.05,73.32 ; 64.05,73.3 64.3,73.05 ; v2(64.22,73.12) 64.35,73.25 AE101#7.2
Board_1-Board_5-/IO5: length 6
  Top w0.2: v2(83.15,74.05) 83.75,74.05 84.45,74.75 84.45,76.5 84.15,76.8 v2(82.15,76.8)
  Bottom w0.2: 82.2,76.7 82.1,76.9 ; J101#10.2 v2(82.15,76.8)
Board_1-Board_5-unconnected-(AE101-Shield-Pad2): length 11
  Top w0.4: 79.45,78.2 79.45,73.3 79.7,73.05
  Bottom w0.4: 79.45,73.3 79.7,73.05 ; 79.45,73.3 79.5,73.35 79.5,74.81 79.44,74.87 79.44,75.43 79.5,75.49 v2(79.5,78.15) 79.45,78.2 ; 79.45,73.3 79.45,73.32 ; AE101#14.2 79.75,73.25 v2(79.62,73.12)
Board_1-Board_6-/IO5: length 6
  Top w0.2: v2(67.75,66.85) 68.35,66.85 69.05,67.55 69.05,69.3 68.75,69.6 v2(66.75,69.6)
  Bottom w0.2: 66.8,69.5 66.7,69.7 ; J101#8.2 v2(66.75,69.6)
Board_1-Board_6-unconnected-(AE101-Shield-Pad2): length 11
  Top w0.4: 64.3,65.85 64.05,66.1 64.05,71
  Bottom w0.4: AE101#6.2 64.35,66.05 v2(64.22,65.92) ; 64.05,66.1 64.3,65.85 ; 64.05,66.1 64.05,66.12 ; 64.05,66.1 64.1,66.15 64.1,67.61 64.04,67.67 64.04,68.23 64.1,68.29 v2(64.1,70.95) 64.05,71
Board_1-Board_7-/IO5: length 6
  Top w0.2: v2(82.15,69.6) 84.15,69.6 84.45,69.3 84.45,67.55 83.75,66.85 v2(83.15,66.85)
  Bottom w0.2: 82.2,69.5 82.1,69.7 ; J101#9.2 v2(82.15,69.6)
Board_1-Board_7-unconnected-(AE101-Shield-Pad2): length 11
  Top w0.4: 79.7,65.85 79.45,66.1 79.45,71
  Bottom w0.4: v2(79.62,65.92) 79.75,66.05 AE101#19.2 ; 79.45,66.12 79.45,66.1 ; 79.45,66.1 79.5,66.15 79.5,67.61 79.44,67.67 79.44,68.23 79.5,68.29 v2(79.5,70.95) 79.45,71 ; 79.45,66.1 79.7,65.85
Board_1-Board_8-/IO5: length 6
  Top w0.2: v2(67.75,59.65) 68.35,59.65 69.05,60.35 69.05,62.1 68.75,62.4 v2(66.75,62.4)
  Bottom w0.2: J101#6.2 v2(66.75,62.4) ; 66.8,62.3 66.7,62.5
Board_1-Board_8-unconnected-(AE101-Shield-Pad2): length 11
  Top w0.4: 64.05,63.8 64.05,58.9 64.3,58.65
  Bottom w0.4: 64.05,58.9 64.1,58.95 64.1,60.41 64.04,60.47 64.04,61.03 64.1,61.09 v2(64.1,63.75) 64.05,63.8 ; 64.05,58.9 64.3,58.65 ; 64.05,58.9 64.05,58.92 ; AE101#12.2 64.35,58.85 v2(64.22,58.72)
